# Altium PCB LimePSB-RPCM_1v5.PcbDoc (part 6 of 12)
Units mm, origin at the board's own origin, x right, y up, seen from the top; angles counter-clockwise.
Board outline 170 x 110 mm, 6 copper layers (Top, L2, L3, L4, L5, Bottom), stack 1.583 mm thick; 998 components, 580 nets, 4160 pads, 1908 vias.
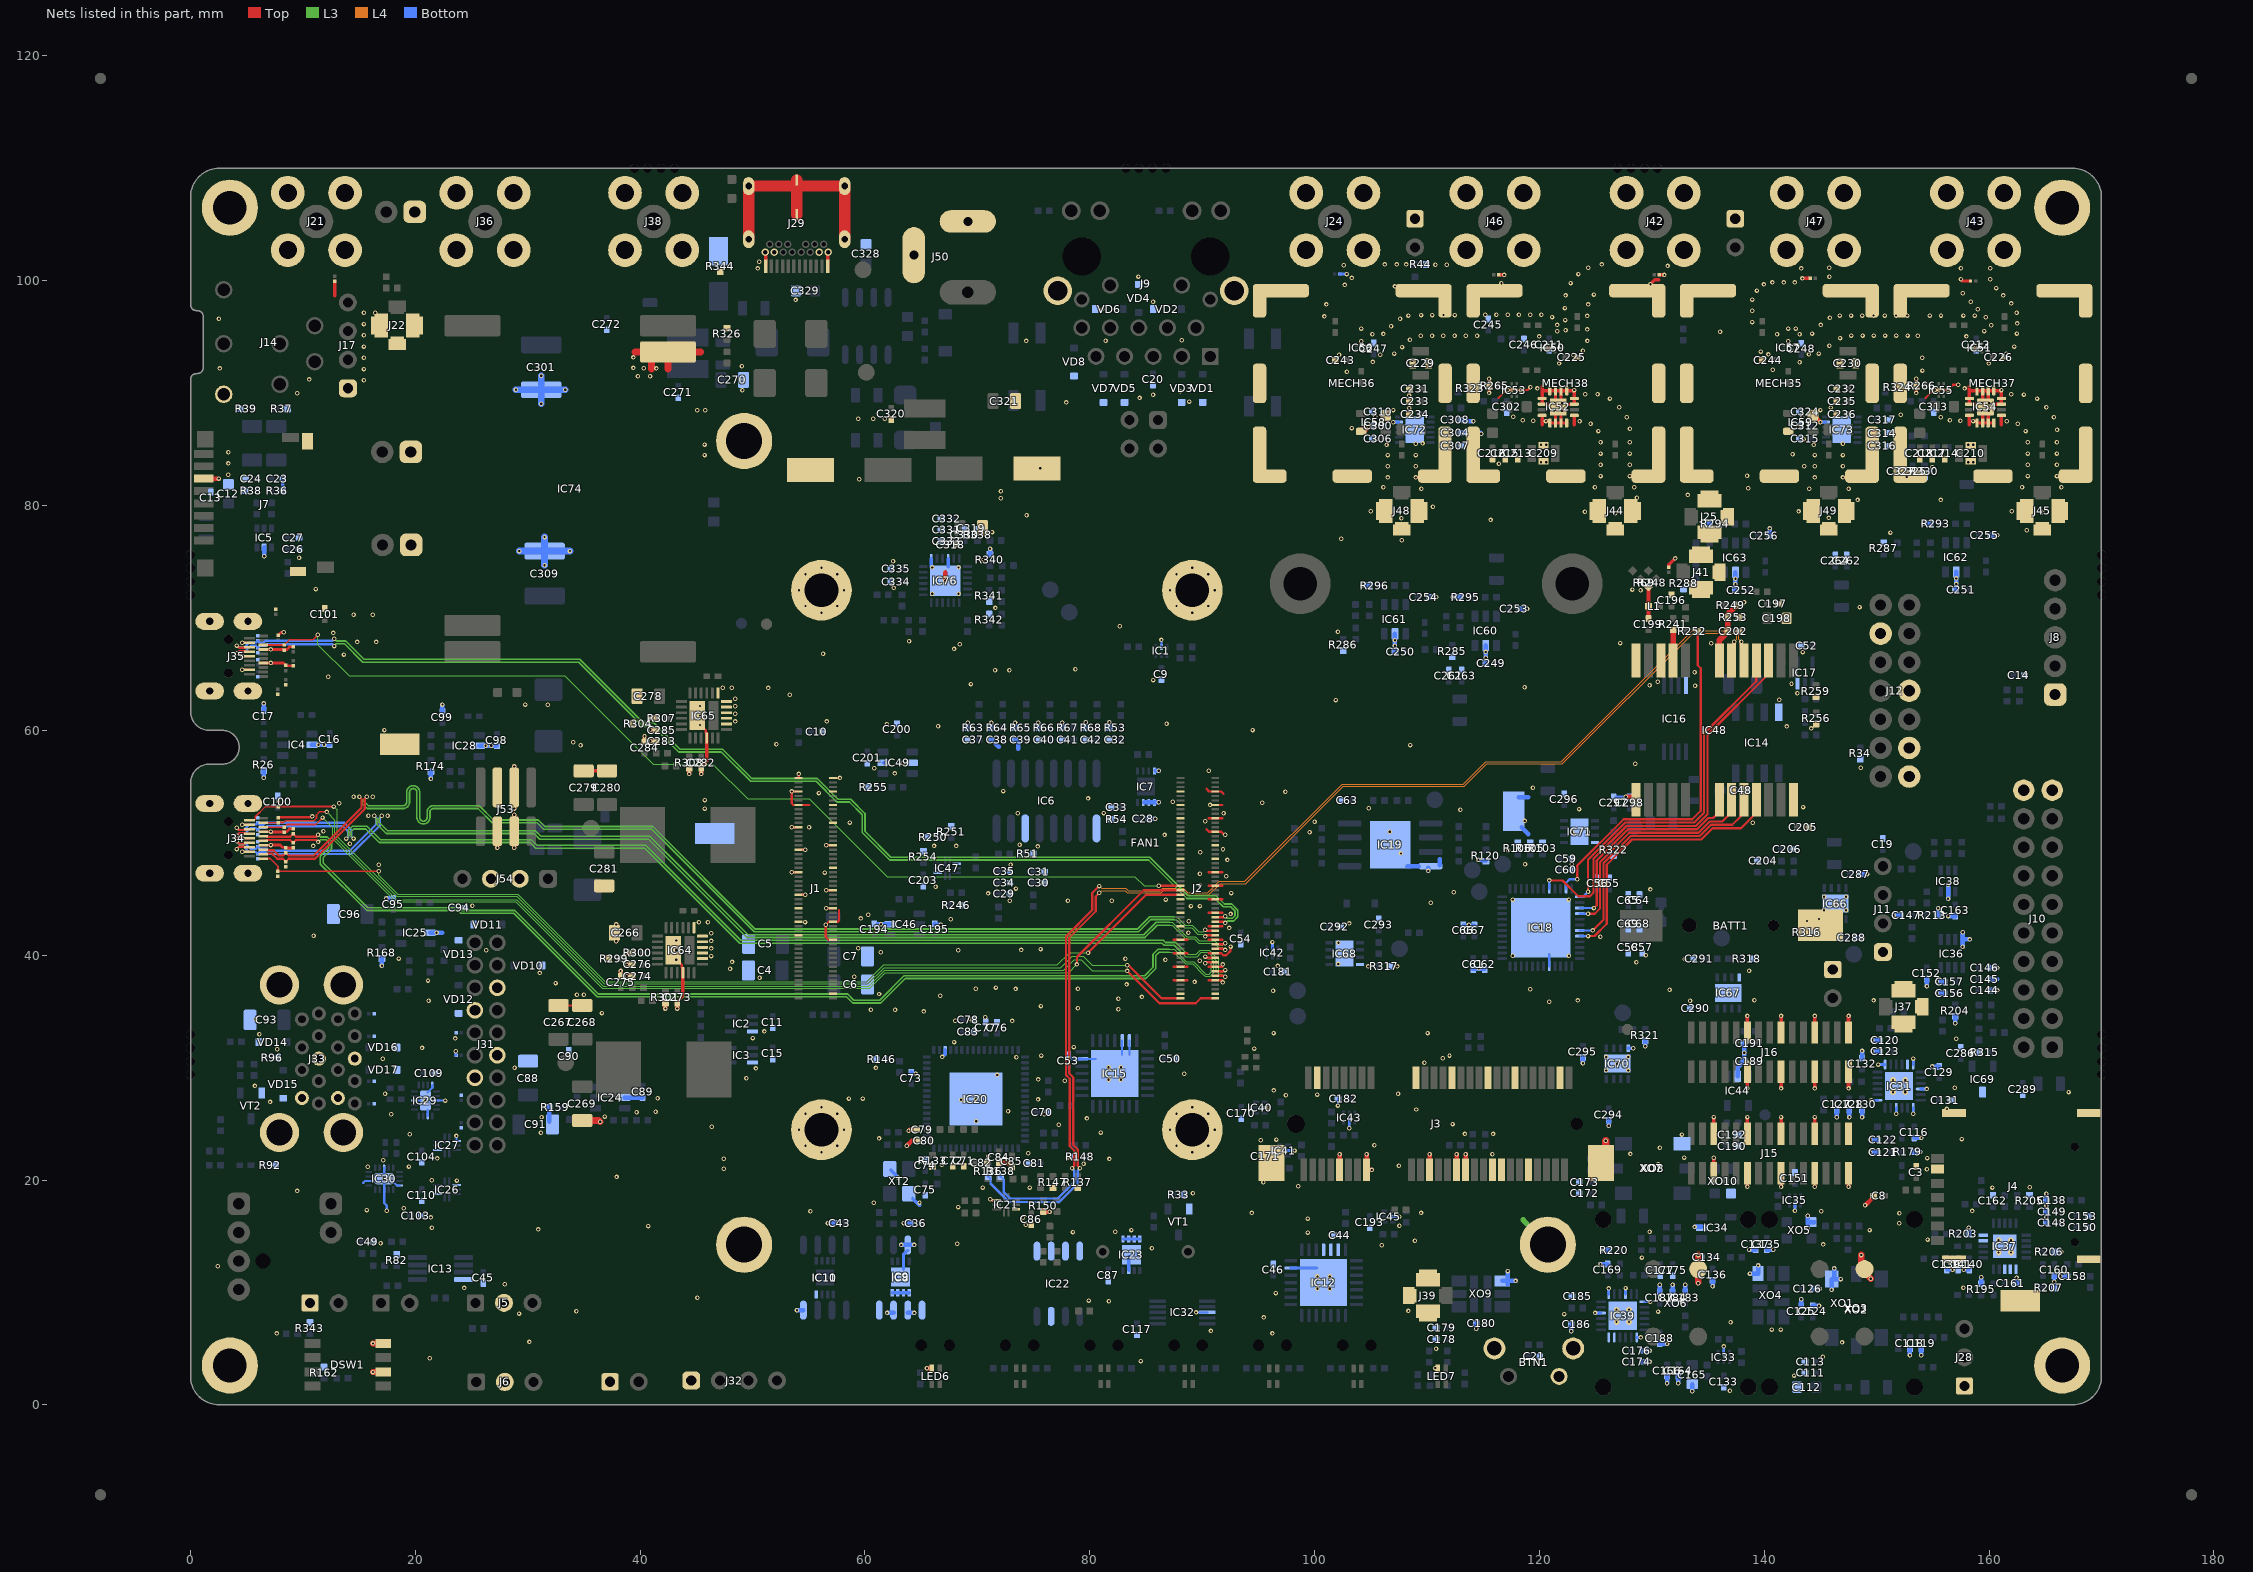
[diagram p10: the nets of this part, all layers, seen from the top]

## Via types
v1: diameter 0.4, hole 0.2, Top to Bottom, tented both sides, 1884 vias
v2: diameter 0.5, hole 0.2, Top to Bottom, tented both sides, 24 vias

## Nets (pads, with @x,y where several pads share a name; then routed paths per layer and width w, separated by ;. In a path a pad name is that pad's centre, name@x,y a point inside that pad or via, vN(x,y) a via of type N, cw(c..) or ccw(c..) an arc to the next point about the centre after c; other vN are vias at no path point) (continued)
GND: BATT1.NEGATIVE BTN1.2 BTN1.Shield C3.1 C4.1 C5.1 C6.1 C7.1 C8.1 C9.2 C10.2 C11.2 C12.1 C13.2 C14.2 C15.2 C16.2 C17.2 C19.2 C20.2 C21.2 C23.2 C24.1 C26.1 C27.2 C28.2 C29.1 C30.1 C31.2 C32.2 C33.2 C34.1 C35.1 C36.2 C37.2 C38.2 C39.2 C40.2 C41.2 C42.2 C43.2 C44.2 C45.2 C46.2 C48.2 C49.2 C50.2 C52.2 C53.2 C54.2 C55.1 C56.2 C57.1 C58.2 C59.1 C60.2 C61.1 C62.2 C63.2 C64.1 C65.2 C66.1 C67.2 C68.1 C69.2 C70.1 C71.1 C72.2 C73.2 C74.1 C75.1 C76.1 C77.2 C78.1 C79.2 C80.2 C81.2 C82.2 C83.2 C84.2 C85.1 C86.2 C87.2 C88.1 C89.2 C90.2 C91.1 C93.1 C94.2 C95.2 C96.1 C98.2 C99.2 C100.2 C101.2 C103.2 C104.2 C109.2 C110.2 C111.1 C112.1 C113.2 C116.1 C117.1 C118.1 C119.1 C120.1 C121.1 C122.1 C123.1 C124.1 C125.1 C126.1 C127.1 C128.1 C129.1 C130.1 C131.1 C132.1 C133.1 C134.1 C135.1 C136.1 C137.1 C138.1 C139.1 C140.2 C141.2 C144.1 C145.2 C146.2 C147.1 C148.2 C149.2 C150.1 C151.1 C152.2 C153.2 C156.1 C157.2 C158.1 C160.1 C161.2 C162.2 C163.2 C164.1 C165.1 C166.2 C169.1 C170.1 C171.1 C172.1 C173.1 C174.1 C175.1 C176.1 C177.1 C178.1 C179.1 C180.1 C181.1 C182.1 C183.1 C184.1 C185.1 C186.1 C187.1 C188.1 C189.1 C190.1 C191.1 C192.1 C193.1 C194.2 C195.2 C196.1 C197.1 C198.1 C200.2 C201.2 C202.2 C203.2 C204.2 C205.1 C206.2 C209.2 C210.2 C211.1 C212.1 C213.1 C214.1 C215.2 C216.1 C217.2 C218.1 C225.2 C226.2 C229.2 C230.2 C231.1 C232.1 C233.2 C234.1 C235.2 C236.1 C243.1 C244.1 C245.1 C246.2 C247.2 C248.2 C249.2 C250.2 C251.2 C252.2 C253.2 C254.2 C255.2 C256.2 C261.1 C262.1 C263.2 C264.2 C266.1 C267.1 C268.1 C269.1 C270.1 C271.2 C272.2 C273.2 C274.2 C275.2 C276.2 C278.1 C279.1 C280.1 C281.1 C282.2 C283.2 C284.2 C285.1 C286.1 C287.1 C288.1 C289.1 C290.1 C291.1 C292.1 C293.1 C294.1 C295.1 C296.1 C297.1 C298.1 C300.1 C301.1 C302.2 C304.2 C306.1 C307.1 C308.1 C309.1 C310.2 C312.1 C313.2 C314.2 C315.1 C316.1 C317.1 C318.2 C319.1 C320.2 C321.1 C322.2 C323.2 C324.2 C325.1 C327.2 C328.1 C329.1 C330.1 C331.1 C332.2 C333.2 C334.2 C335.2 DSW1.6 DSW1.8 ESD1.2 ESD2.2 ESD3.2 ESD4.2 ESD5.2 ESD6.2 ESD7.2 ESD8.2 ESD9.2 ESD10.2 ESD11.2 ESD12.2 ESD13.2 ESD14.2 ESD15.2 ESD16.2 ESD17.2 ESD18.2 ESD19.2 ESD20.2 ESD21.2 ESD22.2 ESD23.2 ESD24.2 ESD25.2 ESD26.2 ESD27.2 ESD28.2 ESD29.2 ESD30.2 ESD31.2 ESD32.2 ESD33.2 ESD34.2 ESD35.2 ESD36.2 ESD37.2 ESD38.2 ESD39.2 FAN1.1 IC1.2 IC2.3 IC3.3 IC4.2 IC5.2 IC6.9 IC6.14 IC7.4 IC7.5 IC7.6 IC7.7 IC8.1 IC8.2 IC8.3 IC8.4 IC8.7 IC9.1 IC9.2 IC9.3 IC9.4 IC9.7 IC9.PAD IC10.4 IC11.4 IC12.6 IC12.11 IC12.12 IC12.13 IC12.PAD IC13.4 IC14.4 IC15.6 IC15.12 IC15.13 IC15.PAD IC16.4 IC17.3 IC18.41 IC18.PAD IC19.4 IC19.PAD IC20.19 IC20.PAD IC21.3 IC21.8 IC22.1 IC22.2 IC22.3 IC22.4 IC22.7 IC23.1 IC23.2 IC23.3 IC23.4 IC23.7 IC23.PAD IC24.2 IC25.2 IC26.3 IC26.8 IC27.3 IC27.8 IC28.2 IC29.3 IC29.7 IC29.12 IC29.18 IC29.PAD IC30.3 IC30.7 IC30.12 IC30.18 IC30.PAD IC31.1 IC31.7 IC31.11 IC31.12 IC31.16 IC31.19 IC31.22 IC31.25 IC32.3 IC33.2 IC34.2 IC35.2 IC36.8 IC37.1 IC37.2 IC37.3 IC37.9 IC37.10 IC37.21 IC38.5 IC39.1 IC39.7 IC39.11 IC39.12 IC39.16 IC39.19 IC39.22 IC39.25 IC40.2 IC41.2 IC42.2 IC43.2 IC44.2 IC45.2 IC46.2 IC47.3 IC47.8 IC48.10 IC48.12 IC48.13 IC48.24 IC49.2 IC49.5 IC50.2 IC51.2 IC52.1 IC52.3 IC52.4 IC52.5 IC52.6 IC52.7 IC52.8 IC52.9 IC52.10 IC52.12 IC52.13 IC52.14 IC52.15 IC52.16 IC52.PAD IC53.2 IC53.5 IC54.1 IC54.3 IC54.4 IC54.5 IC54.6 IC54.7 IC54.8 IC54.9 IC54.10 IC54.12 IC54.13 IC54.14 IC54.15 IC54.16 IC54.PAD IC55.2 IC55.5 IC56.2 IC57.2 IC58.2 IC58.4 IC59.2 IC59.4 IC60.2 IC61.2 IC62.2 IC63.2 IC64.4 IC64.8 IC64.9 IC64.10 IC64.11 IC64.12 IC64.13 IC64.25 IC65.4 IC65.8 IC65.9 IC65.10 IC65.11 IC65.12 IC65.13 IC65.25 IC66.4 IC66.9 IC67.4 IC67.9 IC68.4 IC68.9 IC69.3 IC70.4 IC70.9 IC71.4 IC71.9 IC72.5 IC72.PAD IC73.5 IC73.PAD IC74.2 IC76.19 IC76.22 IC76.25 J1.1 J1.2 J1.7 J1.8 J1.13 J1.14 J1.22 J1.23 J1.32 J1.33 J1.42 J1.43 J1.52 J1.53 J1.59 J1.60 J1.65 J1.66 J1.71 J1.74 J1.98 J2.7 J2.8 J2.13 J2.14 J2.19 J2.20 J2.25 J2.26 J2.31 J2.32 J2.37 J2.38 J2.44 J2.50 J2.55 J2.56 J2.61 J2.62 J2.67 J2.68 J2.73 J2.74 J2.79 J2.80 J2.85 J2.86 J2.91 J2.92 J2.97 J2.98 J3.4 J3.9 J3.15 J3.18 J3.21 J3.26 J3.27 J3.29 J3.34 J3.35 J3.37 J3.40 J3.43 J3.50 J3.53 J3.54 J4.C5 J4.G1 J4.G2 J4.G3 J4.G4 J5.2 J6.2 J7.6 J7.12 J7.13 J8.1 J9.S1 J9.S2 J10.19 J10.20 J11.1 J12.1 J12.3 J12.7 J12.12 J14.4 J15.1 J15.4 J15.7 J15.10 J15.13 J16.1 J16.4 J16.7 J16.10 J17.1 J18.1 J19.1 J20.1 J21.2 J22.2 J23.1 J24.2 J25.2 J28.1 J29.A1 J29.A12 J29.B1 J29.B12 J29.GND J29.GND1 J29.Shell J31.6 J31.7 J31.12 J31.13 J32.1 J33.4 J33.7 J33.13 J33.16 J33.SHIELD J34.4 J34.7 J34.10 J34.13 J34.16 J34.Shell J35.4 J35.7 J35.10 J35.13 J35.16 J35.Shell J36.2 J37.2 J38.2 J39.2 J40.1 J41.2 J42.2 J43.2 J44.2 J45.2 J46.2 J47.2 J48.2 J49.2 J50.2 J50.3 J51.1 J52.1 J53.2 J53.3 J54.2 J54.3 J55.1 LED6.3 LED7.3 MECH6.MH1 MECH8.MH1 MECH10.MH1 MECH12.MH1 MECH19.MH1 MECH20.MH1 MECH21.MH1 MECH22.MH1 MECH35.1 MECH36.1 MECH37.1 MECH38.1 R26.1 R33.2 R34.1 R36.1 R37.2 R38.2 R39.1 R44.2 R51.2 R53.2 R54.2 R63.1 R64.1 R65.1 R66.1 R67.1 R68.1 R82.2 R92.1 R96.2 R103.2 R105.2 R106.2 R120.1 R133.2 R137.2 R146.1 R147.2 R148.1 R150.2 R159.1 R162.2 R168.1 R174.1 R179.1 R195.1 R203.1 R204.2 R205.2 R206.2 R207.1 R213.2 R220.1 R246.2 R250.2 R251.2 R253.1 R254.2 R255.2 R256.1 R259.1 R265.1 R266.1 R285.2 R286.2 R287.2 R288.2 R293.1 R294.1 R295.1 R296.1 R299.2 R300.2 R301.1 R304.2 R307.2 R308.1 R315.2 R316.2 R317.2 R318.1 R321.2 R322.2 R323.2 R324.2 R326.2 R330.2 R338.2 R340.1 R341.1 R342.1 R343.2 R344.2 TP5.1 TP6.1 TP7.1 TP8.1 VD1.K VD2.K VD3.K VD4.K VD5.K VD6.K VD7.K VD8.K VD10.K VD11.K VD12.K VD13.K VD14.K VD15.K VD16.K VD17.K VD21.A VT1.S VT2.S XO1.2 XO2.2 XO3.2 XO4.4 XO5.2 XO6.2 XO7.2 XO8.2 XO9.4 XO10.2 XT2.2 XT2.4 | length 436.2
  Top w0.15: 57.69,43.065 57.69,44.025
  Top w0.2: C267.1@32.731,35.519 C268.1@34.85,35.519 ; IC64.25@42.95,40.45 43.075,40.325 43.55,39.85 43.55,39.3 43.7,39.15 43.7,38.925 IC64.4@43.8,38.825 ; IC65.25@45.075,61.325 45.2,61.2 45.675,60.725 45.675,60.175 45.825,60.025 45.825,59.8 IC65.4@45.925,59.7 ; v1(53.475,47.375) J1.43@54.085,47.375 ; v1(53.475,51.375) J1.23@54.085,51.375 ; J1.53@54.085,45.375 v1(54.695,45.375) ; J1.33@54.085,49.375 v1(54.695,49.375) ; J1.7@54.085,54.575 v1(53.475,54.575) 53.475,53.525 53.625,53.375 55.075,53.375 ; J1.1@54.085,55.775 54.1,55.775 v1(54.1,56.125) ; v1(56.555,44.175) J1.60@57.165,44.175 ; v1(56.555,45.775) J1.52@57.165,45.775 ; v1(56.555,49.775) J1.32@57.165,49.775 ; J1.74@57.165,41.375 56.75,41.375 56.5,41.625 v1(56.5,42.7) 56.775,42.975 57.575,42.975 57.665,43.065 ; J1.2@57.165,55.775 v1(57.775,55.775) ; v1(71.15,18.3) 71.25,18.2 IC21.3@71.725,18.2 ; 87.475,37.775 88.695,37.775 ; 87.475,38.975 88.695,38.975 ; 87.475,40.175 88.695,40.175 ; 87.475,41.375 88.695,41.375 ; 90.375,51.2 90.6,50.975 J2.26@91.165,50.975 91.7,50.975 v1@91.9,50.775 ; 90.375,54.8 90.6,54.575 J2.8@91.165,54.575 91.7,54.575 91.9,54.375 ; 90.555,37.775 91.775,37.775 ; 90.555,38.975 91.775,38.975 ; 90.555,40.175 91.7,40.175 91.875,40 92.15,40 92.525,40.375 v1(92.525,40.775) ; 90.555,41.375 91.775,41.375 ; 90.555,42.575 91.775,42.575 ; 90.555,43.775 91.775,43.775 ; 90.555,44.975 J2.56@91.165,44.975 91.775,44.975 ; 90.555,46.175 91.775,46.175 ; 90.555,47.375 91.775,47.375 ; 90.555,52.175 91.775,52.175 ; v1(90.7,53.375) 91.775,53.375 ; 116.375,89.6 v1@117.05,90.275 ; v1(117.2,90.275) IC53.2@117.975,90.275 v1(118.35,90.275) 118.95,90.275 v1(119.2,90.525) ; 154.375,89.6 155.05,90.275 IC55.5@155.525,90.275 IC55.2@155.975,90.275 v1(156.35,90.275) 156.825,90.75 v1(157.25,90.75)
  Top w0.23: v1(4.597,49.198) J34.4@5.25,49.198 ; v1(4.597,50.398) J34.10@5.25,50.398 ; v1(4.597,51.598) J34.16@5.25,51.598 ; v1(4.597,65.398) J35.4@5.25,65.398 ; v1(4.597,66.598) J35.10@5.25,66.598 ; v1(4.597,67.798) J35.16@5.25,67.798 ; J34.7@6.475,49.798 v1(7.129,49.798) ; J34.13@6.475,50.998 v1(7.129,50.998) ; J35.7@6.475,65.998 v1(7.129,65.998) 8.252,65.998 8.485,65.765 ESD23.2@9.107,65.765 ; J35.13@6.475,67.198 v1(7.129,67.198) 8.573,67.198 8.807,67.432 9.107,67.432 ESD24.2@9.123,67.448
  Top w0.25: v1(7.129,49.798) 7.13,49.8 7.975,49.8 8.17,49.605 8.45,49.605 8.475,49.58 ESD8.2@8.475,49.575 8.475,49.573 8.5,49.548 ESD11.2@9.125,49.548 ; v1(7.129,50.998) 7.169,50.998 7.219,50.948 ESD15.2@8.325,50.948 8.325,50.953 8.35,50.978 8.528,50.978 8.793,51.243 9.118,51.243 ESD12.2@9.123,51.248 ; ESD16.2@7.798,52.248 ESD16.2@7.798,52.248 7.823,52.275 10.709,52.275 10.784,52.35 v1(10.825,52.35) ; ESD28.2@7.8,68.45 7.8,68.455 7.825,68.48 7.83,68.48 8.046,68.696 8.271,68.696 v1(8.3,68.725) ; IC56.2@104.14,94.243 v1(104.14,94.624) ; v1(120.595,94.05) IC50.2@120.975,94.05 ; IC57.2@142.14,94.243 v1(142.14,94.624) ; v1(158.595,94.05) IC51.2@158.975,94.05
  Top w0.3: 12.825,98.675 ESD1.2@12.825,99.95 ; C279.1@34.975,56.4 C280.1@37.05,56.4 ; J29.A12@51.175,101.295 J29.B1@51.175,102.495 ; J29.A1@56.675,101.295 J29.B12@56.675,102.495 ; v1(109,82.5) 109.7,82.5 MECH36.1@109.85,82.35 ; ESD38.2@116.4,100.525 v1(116.875,100.525) ; 120.25,87.175 IC52.12@120.25,88.025 ; 120.25,90.575 IC52.10@120.25,89.025 IC52.PAD@121.1,89.025 ; 120.375,90.2 v1@122.975,90.2 ; v1(120.575,87.525) 120.594,87.506 120.925,87.506 IC52.13@120.925,87.35 IC52.14@121.425,87.35 ; IC52.PAD@121.425,88.2 IC52.14@121.425,87.35 ; IC52.PAD@121.425,89.35 IC52.7@121.425,90.2 ; IC52.PAD@121.925,88.2 IC52.15@121.925,87.35 ; IC52.PAD@121.925,89.35 IC52.6@121.925,90.2 ; IC52.PAD@122.25,89.025 IC52.3@123.1,89.025 v1(123.1,90.275) ; IC52.16@122.425,87.35 IC52.15@121.925,87.35 ; 123.1,87.175 IC52.1@123.1,88.025 ; v1(128.04,82.625) 128.74,82.625 MECH38.1@128.89,82.475 ; v1(129.875,99.7) 130.25,100.075 130.6,100.075 ; ESD36.2@130.65,100.525 v1(131.125,100.525) ; ESD35.2@131.5,74.525 131.5,74.725 v1(132.075,75.3) ; v1@143.4,100.225 ESD39.2@144.1,100.225 ; v1(147,82.5) 147.7,82.5 MECH35.1@147.85,82.35 ; v1(157.5,100.125) 157.65,99.975 ESD37.2@158.35,99.975 ; 158.25,87.175 IC54.12@158.25,88.025 ; 158.25,90.575 IC54.10@158.25,89.025 IC54.PAD@159.1,89.025 ; 158.375,90.2 v1@160.975,90.2 ; v1(158.575,87.525) 158.594,87.506 158.925,87.506 IC54.13@158.925,87.35 IC54.14@159.425,87.35 ; IC54.PAD@159.425,88.2 IC54.14@159.425,87.35 ; IC54.PAD@159.425,89.35 IC54.7@159.425,90.2 ; IC54.PAD@159.925,88.2 IC54.15@159.925,87.35 ; IC54.PAD@159.925,89.35 IC54.6@159.925,90.2 ; IC54.PAD@160.25,89.025 IC54.3@161.1,89.025 v1(161.1,90.275) ; IC54.16@160.425,87.35 IC54.15@159.925,87.35 ; 161.1,87.175 IC54.1@161.1,88.025 ; IC52.14@121.425,87.35 IC52.15@121.925,87.35 ; IC54.14@159.425,87.35 IC54.15@159.925,87.35 ; v1(54.125,24.475) 54.418,25.182 v1(54.711,25.889) 55.418,26.182 v1(56.125,26.475) 56.832,26.182 v1(57.539,25.889) 57.832,25.182 v1(58.125,24.475) 57.832,23.768 v1(57.539,23.061) 56.832,22.768 v1(56.125,22.475) 55.418,22.768 v1(54.711,23.061) 54.418,23.768 v1(54.125,24.475) ; v1(54.125,72.475) 54.418,73.182 v1(54.711,73.889) 55.418,74.182 v1(56.125,74.475) 56.832,74.182 v1(57.539,73.889) 57.832,73.182 v1(58.125,72.475) 57.832,71.768 v1(57.539,71.061) 56.832,70.768 v1(56.125,70.475) 55.418,70.768 v1(54.711,71.061) 54.418,71.768 v1(54.125,72.475) ; v1(87.125,24.475) 87.418,23.768 v1(87.711,23.061) 88.418,22.768 v1(89.125,22.475) 89.832,22.768 v1(90.539,23.061) 90.832,23.768 v1(91.125,24.475) 90.832,25.182 v1(90.539,25.889) 89.832,26.182 v1(89.125,26.475) 88.418,26.182 v1(87.711,25.889) 87.418,25.182 v1(87.125,24.475) ; v1(87.125,72.475) 87.418,73.182 v1(87.711,73.889) 88.418,74.182 v1(89.125,74.475) 89.832,74.182 v1(90.539,73.889) 90.832,73.182 v1(91.125,72.475) 90.832,71.768 v1(90.539,71.061) 89.832,70.768 v1(89.125,70.475) 88.418,70.768 v1(87.711,71.061) 87.418,71.768 v1(87.125,72.475)
  Top w0.309: C273.2@43.3,35.75 43.3,35.869 43.804,36.374 IC64.4@43.804,38.825 ; C282.2@45.425,56.625 45.425,56.744 45.93,57.249 IC65.4@45.93,59.7
  Top w0.325: v1(115.525,90.025) v1(115.525,91.275) ; J15.13@135.5,20.625 v1(135.5,21.975) ; J15.13@135.5,24.125 v1(135.5,25.6) ; v1(138.5,19.4) J15.10@138.5,20.625 ; J15.10@138.5,24.125 v1(138.5,25.6) ; v1(138.5,28.15) J16.10@138.5,29.625 ; J16.10@138.5,33.125 v1(138.5,34.6) ; v1(141.5,19.4) J15.7@141.5,20.625 ; J15.7@141.5,24.125 v1(141.5,25.6) ; v1(141.5,28.15) J16.7@141.5,29.625 ; J16.7@141.5,33.125 v1(141.5,34.6) ; v1(144.5,19.4) J15.4@144.5,20.625 ; J15.4@144.5,24.125 v1(144.5,25.6) ; v1(144.5,28.15) J16.4@144.5,29.625 ; J16.4@144.5,33.125 v1(144.5,34.6) ; v1(147.5,19.4) J15.1@147.5,20.625 ; v1(147.5,28.15) J16.1@147.5,29.625 ; J16.1@147.5,33.125 v1(147.5,34.6) ; v1(153.525,90.025) v1(153.525,91.275)
  Top w0.4: J7.6@1.18,82.4 v1(2.5,82.4) ; v1(27.3,49.55) J53.3@27.3,51.025 ; v1(28.8,49.55) J53.2@28.8,51.025 v1(28.8,52.5) ; v1(28.8,53.05) J53.2@28.8,54.925 v1(28.8,56.8) ; v1(37.862,41.24) v1(37.862,42.74) ; C275.2@38.261,38.1 v1(38.261,38.6) ; v1(38.8,38.15) C274.2@39.3,38.15 ; v1(38.8,39.175) C276.2@39.3,39.175 ; v1(38.8,40.225) R300.2@39.3,40.225 ; C284.2@40.386,58.975 v1(40.386,59.475) ; v1(40.925,59.025) C283.2@41.425,59.025 ; v1(40.925,60.05) C285.1@41.425,60.05 ; v1(40.925,61.1) R307.2@41.425,61.1 ; v1(42.25,35.25) R301.1@42.25,35.75 ; v1(43.3,35.25) C273.2@43.3,35.75 ; v1(44.375,56.125) R308.1@44.375,56.625 ; v1(45.425,56.125) C282.2@45.425,56.625 ; v1(63.725,23.05) 64.15,23.475 C80.2@64.775,23.475 ; v1(63.875,24.375) 63.975,24.475 C79.2@64.575,24.475 ; v1(65.51,3.253) LED6.3@65.96,3.253 ; v1(67.15,73.325) 67.15,74.05 ; C84.2@71.9,21.525 72.7,21.525 C85.1@73.075,21.15 ; R150.2@75.85,17.2 75.875,17.175 v1(76.425,17.175) ; J3.9@102.225,20.9 v1(102.225,22.3) ; IC58.4@104.14,86.75 104.55,86.75 v1(104.8,87) ; v1(104.625,22.3) J3.15@104.625,20.9 v1(105.075,20.9) ; J3.21@110.225,20.9 v1(110.225,22.3) ; J3.27@112.625,20.9 v1(112.625,22.3) ; J3.29@113.425,20.9 v1(113.425,22.3) ; v1(127.675,54.1) 128.4,54.1 128.6,53.9 IC48.13@128.6,53.825 ; IC59.2@144.37,88.055 v1(145,87.425) ; v1(148.975,17.75) 149.625,18.4 149.625,18.55 149.675,18.6 C8.1@149.725,18.6
  Top w0.5: v1(16.225,2.92) DSW1.6@17.14,2.92 ; v1(16.225,5.46) DSW1.8@17.14,5.46
  Top w0.6: C269.1@34.85,25.3 36.325,25.3 v1(36.45,25.175) ; 39.55,93.665 IC74.2@42.475,93.665 ; 41.012,92.15 IC74.2@41.012,93.665 ; 42.475,92.15 IC74.2@42.475,93.665 ; 45.4,93.665 IC74.2@42.475,93.665 ; v1@134.125,10.9 v1(134.125,13.325) ; v1(148.625,13.325) 148.625,12.075 v1(149.484,11.216)
  Top w0.7: J3.54@125.9,22.369 v1(125.9,23.5)
  Top w1: J29.Shell@49.655,103.695 J29.Shell@49.655,108.425 ; J29.Shell@53.925,105.875 53.925,108.425 ; J29.Shell@53.925,108.975 53.925,108.425 ; J29.Shell@58.195,103.695 J29.Shell@58.195,108.425 ; J29.Shell@49.655,108.425 J29.Shell@58.195,108.425 ; J29.Shell@49.655,108.425 53.925,108.425 ; 53.925,108.425 J29.Shell@58.195,108.425
  L3 w0.5: 118.55,16.45 FAN1.1@120.75,14.25
  Bottom w0.2: 15.368,19.757 15.537,19.925 IC30.7@15.846,19.925 17.023,19.925 v1(17.223,20.125) ; IC30.12@17.223,21.102 17.223,17.952 17.45,17.725 v1(17.45,17.275) ; IC30.PAD@17.875,19.925 17.95,19.925 18.35,19.525 IC30.18@18.6,19.525 ; IC29.12@19.923,27.075 IC29.PAD@20.446,27.075 ; IC29.7@21.1,25.698 IC29.PAD@21.1,26.221 ; IC29.PAD@21.1,27.802 21.5,28.202 IC29.18@21.5,28.452 ; IC29.PAD@21.354,27.075 IC29.3@21.877,27.075 v1(22.65,27.075) ; v1(23.65,23.925) 23.65,23.485 23.66,23.475 IC27.3@23.675,23.475 ; IC15.6@79.3,30.775 IC15.PAD@80.55,30.775 ; IC15.PAD@82.875,31.15 IC15.12@82.875,32.4 ; IC15.PAD@83.525,31.15 IC15.13@83.525,32.4 ; IC1.2@86.375,67.437 v1(86.375,68.044) ; v1(89.45,8.225) IC32.3@90.45,8.225 ; v1(102.075,26.625) C182.1@102.075,27.225 ; IC18.41@120.875,39 IC18.PAD@120.875,40.1 ; R330.2@154.143,82.468 154.85,83.175
  Bottom w0.23: IC42.2@96.25,40.588 v1(96.25,41.175) ; IC41.2@97.625,22.625 v1(98.212,22.625) ; v1(103.075,24.6) IC43.2@103.075,25.187 ; IC45.2@106.95,16.75 v1(107.537,16.75) ; IC33.2@136.4,4.613 v1(136.4,5.2)
  Bottom w0.25: ESD5.2@23.6,31.1 v1(23.6,31.45) ; C53.2@78.1,31.125 78.1,31.075 78.225,30.95 78.275,30.95 78.45,30.775 IC15.6@79.3,30.775 ; IC23.1@82.95,14.75 IC23.2@83.45,14.75 IC23.3@83.95,14.75 IC23.4@84.45,14.75 ; IC12.6@97.875,12.175 IC12.PAD@100.2,12.175 ; v1(107,87.425) IC72.5@107.5,87.425 ; C66.1@113.225,42.7 C67.2@114.225,42.7 ; v1@124.954,8.174 IC39.16@125.489,8.174 ; IC39.19@126.164,9.849 v1@126.164,10.384 ; IC39.22@127.664,9.849 v1(127.665,10.385) ; IC39.7@128.664,5.999 v1@129.025,6 ; IC39.1@129.339,9.174 v1(129.875,9.174) ; v1(142.736,17.261) IC35.2@142.736,17.822 ; v1(145,87.425) IC73.5@145.5,87.425 ; v1@149.54,27.1 IC31.1@150.075,27.1 ; v1@150.215,30.275 IC31.7@150.75,30.275 ; v1@151.75,25.89 IC31.22@151.75,26.425 ; v1(153.249,25.889) IC31.19@153.25,26.425 ; IC31.12@153.25,30.275 v1@153.25,30.81 ; IC31.16@153.925,28.1 v1@154.46,28.1
  Bottom w0.3: IC49.5@61.6,57.125 61.8,57.125 61.95,57.275 IC49.5@61.95,57.25 ; XT2.4@62.282,20.893 v1(62.95,20.225) ; IC9.4@62.425,9.975 IC9.1@63.925,9.975 ; IC9.PAD@63.425,12.059 63.425,13.349 IC8.7@63.81,13.734 ; XT2.2@64.225,18.4 64.893,17.732 ; IC76.25@65.9,74.575 IC76.19@65.9,75.291 ; v1(66.875,30.95) 67.125,31.2 IC20.19@67.125,31.575 ; IC76.25@67.4,74.575 IC76.22@67.4,75.291 ; IC23.7@83.45,11.95 IC23.PAD@83.45,13.175 ; ESD2.2@102.25,100.6 v1(102.85,100.6) ; 126.85,54.075 C298.1@128.025,54.075 ; IC70.4@127.9,31.725 v1(128.35,31.725) ; v1(144.875,43.225) IC66.4@145.325,43.225 ; C139.1@156.25,12 v1(156.75,12) ; v1(157.75,12) C140.2@158.25,12 ; C160.1@165.776,11.45 v1(166.325,11.45) C158.1@166.874,11.45 ; R207.1@165.799,10.4 v1(165.8,10.95) C160.1@165.799,11.498
  Bottom w0.325: R36.1@8.2,81.325 C23.2@8.2,82.375
  Bottom w0.4: v1(6.51,55.796) R26.1@6.51,56.423 ; C17.2@6.51,61.773 v1(6.51,62.4) ; v1(6.55,75.5) IC5.2@6.55,76.275 ; IC4.2@10.8,58.725 C16.2@12.385,58.725 ; v1(17.023,39.071) R168.1@17.023,39.698 ; v1(17.421,45.048) C95.2@18.048,45.048 ; IC25.2@21.313,42 v1(21.888,42) 22.388,42 ; v1(21.385,55.696) R174.1@21.385,56.323 ; C99.2@22.41,61.673 v1(22.41,62.3) ; IC28.2@25.675,58.625 C98.2@27.26,58.625 ; C91.1@31.925,25.185 R159.1@31.925,26.475 ; IC24.2@38.625,27.337 C89.2@40.21,27.337 ; v1(53.945,8.425) IC10.4@54.52,8.425 ; v1(56.7,16.175) C43.2@57.275,16.175 ; 61.128,42.75 v1(61.425,42.75) IC46.2@62.225,42.75 ; v1(61.965,8.175) IC8.3@62.54,8.175 ; v1(63.235,14.225) IC8.7@63.81,14.225 v1(64.385,14.225) ; v1(63.45,16.175) C36.2@64.025,16.175 ; IC8.2@63.81,8.175 v1(64.385,8.175) ; C73.2@64.125,29.575 64.125,29.525 64.175,29.475 v1(64.5,29.475) ; C195.2@66.212,42.8 ccw(c66.453,43.041) 66.453,42.7 v1(66.75,42.7) ; v1(69.15,60.675) R63.1@69.151,60.235 R63.1@69.151,60.235 ; R340.1@71.116,75.67 71.125,75.679 v1(71.125,76.15) ; R64.1@71.251,60.235 v1(71.25,60.675) ; C38.2@71.251,59.185 71.883,58.553 ; R65.1@73.35,60.236 v1(73.35,60.675) ; C39.2@73.351,59.185 73.625,58.911 73.625,58.375 ; R66.1@75.425,60.261 v1(75.425,60.7) ; R67.1@77.55,60.261 v1(77.55,60.7) ; R68.1@79.65,60.286 v1(79.65,60.725) ; R53.2@81.75,60.286 v1(81.75,60.725) ; IC7.7@84.85,53.6 v1(86.125,53.6) ; C28.2@85.25,52.149 v1(85.825,52.149) ; IC7.4@85.85,56.4 v1(86.125,56.4) ; v1(104.221,72.89) R296.1@104.848,72.89 ; C250.2@107.15,67.015 IC61.2@107.15,68.6 ; IC19.PAD@108.238,47.925 109.262,47.925 ; v1(110.1,47.5) IC19.4@110.1,47.763 ; C254.2@110.198,71.865 v1(110.825,71.865) ; IC19.4@111.125,48.025 111.125,48.538 ; v1(112.298,71.85) R295.1@112.925,71.85 ; C304.2@113.015,86.486 114.739,86.486 v1(114.825,86.4) ; C308.1@113.015,87.636 113.151,87.5 v1(114.125,87.5) ; C61.1@114.087,38.775 C62.2@115.112,38.775 ; v1(114.375,6.775) C180.1@114.375,7.275 ; v1(114.575,48.475) 114.906,48.475 114.921,48.46 115.14,48.46 R120.1@115.208,48.392 ; C249.2@115.227,65.975 IC60.2@115.227,67.56 ; XO9.4@116.7,11.025 v1(117.875,11.025) ; XO9.4@117.175,10.725 v1(117.175,11.9) ; TP8.1@118.175,54.075 119.002,54.075 ; C253.2@118.275,70.825 v1(118.902,70.825) ; TP8.1@118.433,51.367 119.017,50.783 ; v1(122.839,6.539) C186.1@122.839,7.174 ; v1(123.875,30.4) C295.1@123.875,30.9 ; v1(125.429,12.525) C169.1@126.064,12.524 ; v1@125.529,13.749 R220.1@126.164,13.749 ; v1(126.175,24.825) C294.1@126.175,25.325 ; C174.1@129.164,3.824 v1(129.8,3.824) ; C176.1@129.164,4.824 v1@129.8,4.824 ; v1(129.425,31.9) R321.2@129.425,32.4 ; C188.1@130.714,5.424 v1(131.35,5.424) ; C187.1@130.714,10.049 v1(130.715,10.685) ; v1(131.349,1.914) C166.2@131.35,2.55 ; C184.1@131.839,10.049 v1(131.84,10.685) ; v1(132.349,1.914) C164.1@132.35,2.55 ; C183.1@132.964,10.049 v1(132.965,10.685) ; v1(133.599,1.212) C165.1@133.6,1.847 ; v1(133.8,15.825) IC34.2@134.375,15.825 ; v1(134.508,78.363) R294.1@135.135,78.363 ; v1(135.4,10.55) C136.1@135.4,11.125 ; C252.2@137.437,72.488 IC63.2@137.437,74.072 ; IC44.2@137.65,29.225 137.652,29.227 137.652,30.027 138.1,30.475 138.1,30.525 138.15,30.575 C189.1@138.2,30.575 138.225,30.6 C191.1@138.225,32.175 ; v1(138.65,13.8) C137.1@139.225,13.8 ; v1(138.725,11.675) XO4.4@139.45,11.675 v1(139.45,12.4) ; C135.1@140.225,13.8 v1(140.8,13.8) ; C256.2@140.485,77.338 v1(140.485,77.964) ; C125.1@143.3,8.825 v1(143.3,9.4) ; R316.2@143.8,42.55 v1(143.8,43.05) ; v1(143.875,15.675) XO5.2@143.875,16.25 ; v1(143.875,16.825) XO5.2@143.875,16.25 ; C124.1@144.3,8.825 v1(144.875,8.825) ; C126.1@144.35,10.35 v1(144.925,10.35) ; XO5.2@144.45,16.25 XO5.2@143.875,16.25 ; v1(145.989,10.24) XO2.2@145.989,11.19 v1(146.814,11.19) ; XO2.2@146.239,11.19 v1(146.239,12.14) ; v1(146.449,25.589) C127.1@146.45,26.225 ; v1(147.574,25.589) C128.1@147.575,26.225 ; C288.1@148.275,41.55 v1(148.775,41.55) ; C287.1@148.65,47.225 v1(149.15,47.225) ; v1(148.699,25.589) C130.1@148.7,26.225 ; C132.1@148.7,30.85 v1(148.701,31.486) ; v1(149.439,22.451) C121.1@150.075,22.45 ; v1(149.439,23.576) C122.1@150.075,23.575 ; v1@149.614,31.45 C123.1@150.25,31.45 ; v1(149.614,32.451) C120.1@150.25,32.45 ; v1(151.504,43.55) C147.1@152.14,43.549 ; v1(152.965,4.415) C118.1@152.965,4.99 ; R179.1@153.25,22.525 v1(153.886,22.524) ; C116.1@153.35,23.75 v1@153.986,23.75 ; v1(153.965,4.415) C119.1@153.965,4.99 ; v1(154.146,78.39) R293.1@154.773,78.39 ; v1(154.473,37.239) C152.2@154.474,37.874 ; v1(154.939,30.101) C129.1@155.575,30.1 ; v1@155.363,36.624 C156.1@155.999,36.624 ; v1(155.364,37.63) C157.2@155.999,37.63 ; R213.2@155.465,43.549 v1(155.464,44.185) ; v1(156.348,45.014) IC38.5@156.349,45.649 v1(156.348,46.285) ; v1@156.366,43.488 C163.2@157.001,43.488 ; v1(156.999,33.939) R204.2@156.999,34.575 ; C251.2@157.075,72.515 IC62.2@157.075,74.1 ; v1(157.648,40.764) IC36.8@157.649,41.399 ; v1(157.649,42.035) IC36.8@157.649,41.399 ; R203.1@158.2,15.2 v1(158.2,15.775) ; v1(158.284,41.399) IC36.8@157.649,41.399 ; R195.1@159.3,10.775 v1(159.3,11.35) ; C144.1@160.098,36.864 v1(160.734,36.864) ; C145.2@160.098,37.864 160.734,37.864 ; C146.2@160.098,38.864 v1(160.734,38.864) ; C255.2@160.123,77.365 v1(160.75,77.365) ; C161.2@162.45,10.825 v1(162.45,11.3) ; C148.2@165.1,16.2 C138.1@165.1,18.2 v1(165.1,18.775) ; R206.2@165.849,13.6 v1(166.424,13.6)